# Altium PCB pokey.PcbDoc (part 2 of 4)
Units mil, origin at the board's own origin, x right, y up, seen from the top; angles counter-clockwise.
Board outline 14208.66 x 3708.66 mil, 4 copper layers (Top Layer, Mid-Layer 1, Mid-Layer 2, Bottom Layer), stack 61.2 mil thick; 385 components, 209 nets, 1413 pads, 947 vias.
Unrouted connection lines stored in the file: 121.
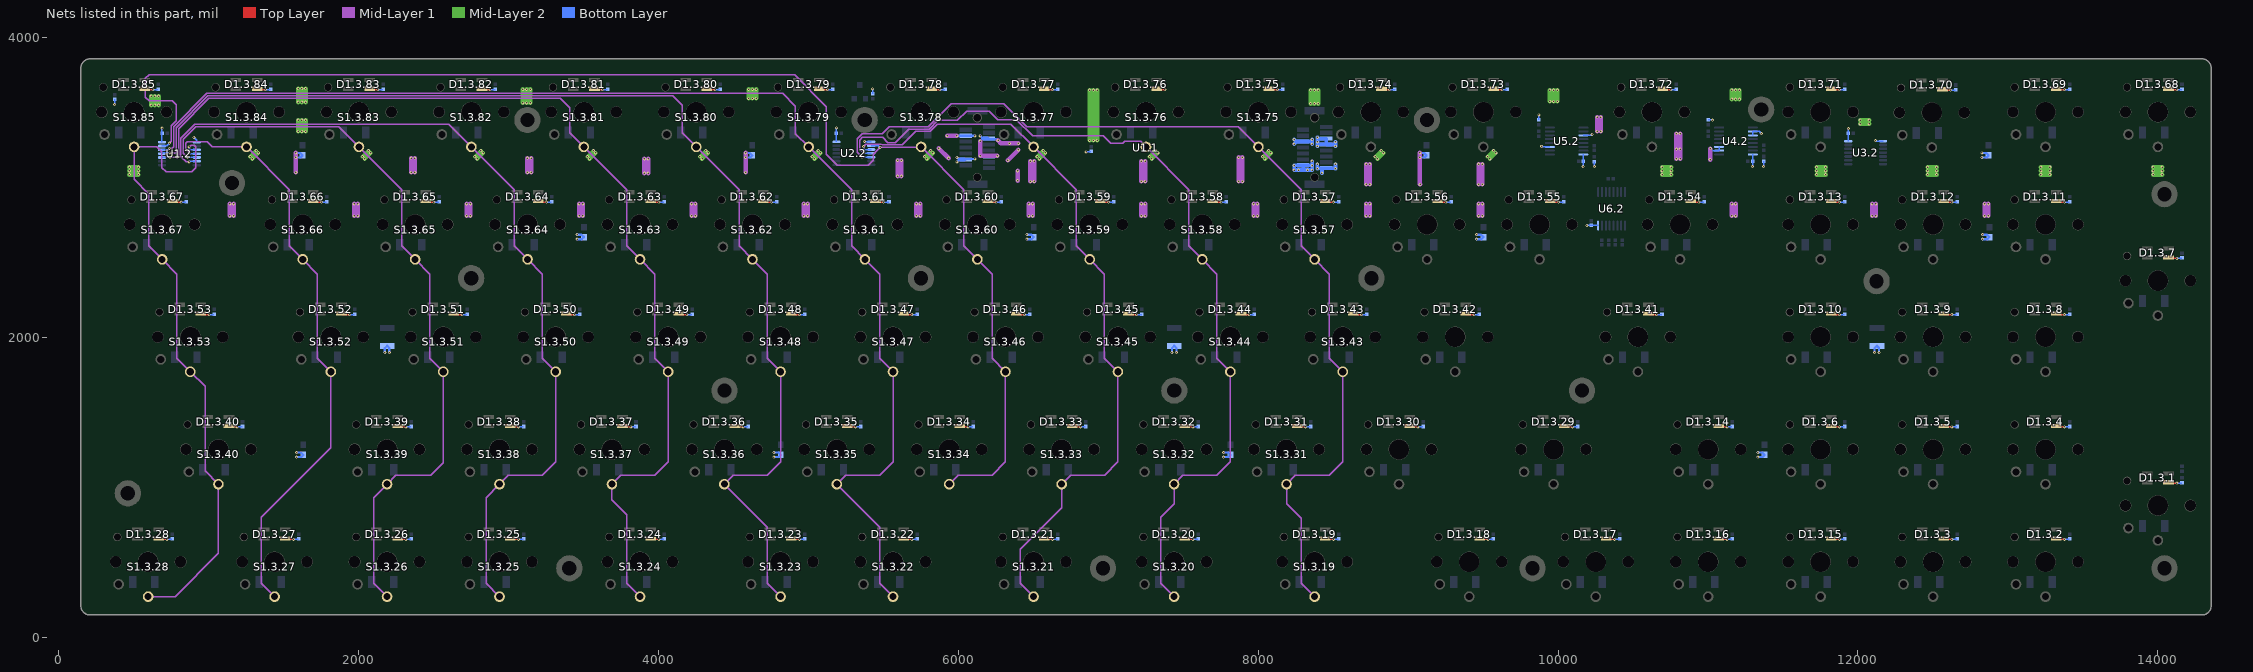
[diagram p4: the nets of this part, all layers, seen from the top]

## Components (designator, comment, footprint, x,y, rotation, side; value= is the part's Value field where it differs from the comment) (continued)
D2.3.59 "" SOD-80 6847.07,2617.5 r180 bottom (schematic designator D2.3)
D2.3.60 "" SOD-80 6097.07,2617.5 r180 bottom (schematic designator D2.3)
D2.3.61 "" SOD-80 5347.07,2617.5 r180 bottom (schematic designator D2.3)
D2.3.62 "" SOD-80 4597.07,2617.5 r180 bottom (schematic designator D2.3)
D2.3.63 "" SOD-80 3847.07,2617.5 r180 bottom (schematic designator D2.3)
D2.3.64 "" SOD-80 3097.07,2617.5 r180 bottom (schematic designator D2.3)
D2.3.65 "" SOD-80 2347.07,2617.5 r180 bottom (schematic designator D2.3)
D2.3.66 "" SOD-80 1597.07,2617.5 r180 bottom (schematic designator D2.3)
D2.3.67 "" SOD-80 659.57,2617.5 r180 bottom (schematic designator D2.3)
D2.3.68 "" SOD-80 13972.07,3367.5 r180 bottom (schematic designator D2.3)
D2.3.69 "" SOD-80 13222.07,3367.5 r180 bottom (schematic designator D2.3)
D2.3.70 "" SOD-80 12463.86,3363.68 r180 bottom (schematic designator D2.3)
D2.3.71 "" SOD-80 11722.07,3367.5 r180 bottom (schematic designator D2.3)
D2.3.72 "" SOD-80 10597.07,3367.5 r180 bottom (schematic designator D2.3)
D2.3.73 "" SOD-80 9472.07,3367.5 r180 bottom (schematic designator D2.3)
D2.3.74 "" SOD-80 8722.07,3367.5 r180 bottom (schematic designator D2.3)
D2.3.75 "" SOD-80 7972.07,3367.5 r180 bottom (schematic designator D2.3)
D2.3.76 "" SOD-80 7222.07,3367.5 r180 bottom (schematic designator D2.3)
D2.3.77 "" SOD-80 6472.07,3367.5 r180 bottom (schematic designator D2.3)
D2.3.78 "" SOD-80 5722.07,3367.5 r180 bottom (schematic designator D2.3)
D2.3.79 "" SOD-80 4972.07,3367.5 r180 bottom (schematic designator D2.3)
D2.3.80 "" SOD-80 4222.07,3367.5 r180 bottom (schematic designator D2.3)
D2.3.81 "" SOD-80 3472.07,3367.5 r180 bottom (schematic designator D2.3)
D2.3.82 "" SOD-80 2722.07,3367.5 r180 bottom (schematic designator D2.3)
D2.3.83 "" SOD-80 1972.07,3367.5 r180 bottom (schematic designator D2.3)
D2.3.84 "" SOD-80 1222.07,3367.5 r180 bottom (schematic designator D2.3)
D2.3.85 "" SOD-80 472.07,3367.5 r180 bottom (schematic designator D2.3)
Q1.2 "2N7002" SOT23 5342.5,3637.5 r180 bottom locked
R1.2 "1k" 0402 11371.7,3206.76 r270 bottom
R2.2 "1k" 0402 11001.7,3419.79 r90 bottom
R3.2 "10k" 0402 372.5,3619.47 r270 bottom
R4.2 "10k" 0402 5427.5,3592.5 r90 bottom
R5.2 "1k" 0402 10242.13,3204.79 r270 bottom
R6.2 "100k" 0402 10427.5,2617.5 r90 bottom
R7.2 "1k" 0402 9872.13,3419.79 r90 bottom
R8.2 "100k" 0402 10382.5,2617.5 r90 bottom
R9.2 "100k" 0402 10337.5,2617.5 r90 bottom
R10.2 "100k" 0402 10292.5,2617.5 r90 bottom
R11.2 "10k" 0402 14162.07,1140 r270 bottom
R12.2 "100k" 0402 10367.5,3057.5 r180 bottom
S1.3.1 "SW-SPST" PG1350 14001.41,877.99 r90 top (schematic designator S1.3)
S1.3.2 "SW-SPST" PG1350 13251.41,502.99 r90 top (schematic designator S1.3)
S1.3.3 "SW-SPST" PG1350 12501.41,502.99 r90 top (schematic designator S1.3)
S1.3.4 "SW-SPST" PG1350 13251.41,1252.99 r90 top (schematic designator S1.3)
S1.3.5 "SW-SPST" PG1350 12501.41,1252.99 r90 top (schematic designator S1.3)
S1.3.6 "SW-SPST" PG1350 11751.41,1252.99 r90 top (schematic designator S1.3)
S1.3.7 "SW-SPST" PG1350 14001.41,2377.99 r90 top (schematic designator S1.3)
S1.3.8 "SW-SPST" PG1350 13251.41,2002.99 r90 top (schematic designator S1.3)
S1.3.9 "SW-SPST" PG1350 12501.41,2002.99 r90 top (schematic designator S1.3)
S1.3.10 "SW-SPST" PG1350 11751.41,2002.99 r90 top (schematic designator S1.3)
S1.3.11 "SW-SPST" PG1350 13251.41,2752.99 r90 top (schematic designator S1.3)
S1.3.12 "SW-SPST" PG1350 12501.41,2752.99 r90 top (schematic designator S1.3)
S1.3.13 "SW-SPST" PG1350 11751.41,2752.99 r90 top (schematic designator S1.3)
S1.3.14 "SW-SPST" PG1350 11001.41,1252.99 r90 top (schematic designator S1.3)
S1.3.15 "SW-SPST" PG1350 11751.41,502.99 r90 top (schematic designator S1.3)
S1.3.16 "SW-SPST" PG1350 11001.41,502.99 r90 top (schematic designator S1.3)
S1.3.17 "SW-SPST" PG1350 10251.41,502.99 r90 top (schematic designator S1.3)
S1.3.18 "SW-SPST" PG1350 9407.66,502.99 r90 top (schematic designator S1.3)
S1.3.19 "SW-SPST" PG1350 8376.41,502.99 r90 top (schematic designator S1.3)
S1.3.20 "SW-SPST" PG1350 7438.91,502.99 r90 top (schematic designator S1.3)
S1.3.21 "SW-SPST" PG1350 6501.41,502.99 r90 top (schematic designator S1.3)
S1.3.22 "SW-SPST" PG1350 5563.91,502.99 r90 top (schematic designator S1.3)
S1.3.23 "SW-SPST" PG1350 4813.91,502.99 r90 top (schematic designator S1.3)
S1.3.24 "SW-SPST" PG1350 3876.41,502.99 r90 top (schematic designator S1.3)
S1.3.25 "SW-SPST" PG1350 2938.91,502.99 r90 top (schematic designator S1.3)
S1.3.26 "SW-SPST" PG1350 2188.91,502.99 r90 top (schematic designator S1.3)
S1.3.27 "SW-SPST" PG1350 1438.91,502.99 r90 top (schematic designator S1.3)
S1.3.28 "SW-SPST" PG1350 595.16,502.99 r90 top (schematic designator S1.3)
S1.3.29 "SW-SPST" PG1350 9970.16,1252.99 r90 top (schematic designator S1.3)
S1.3.30 "SW-SPST" PG1350 8938.91,1252.99 r90 top (schematic designator S1.3)
S1.3.31 "SW-SPST" PG1350 8188.91,1252.99 r90 top (schematic designator S1.3)
S1.3.32 "SW-SPST" PG1350 7438.91,1252.99 r90 top (schematic designator S1.3)
S1.3.33 "SW-SPST" PG1350 6688.91,1252.99 r90 top (schematic designator S1.3)
S1.3.34 "SW-SPST" PG1350 5938.91,1252.99 r90 top (schematic designator S1.3)
S1.3.35 "SW-SPST" PG1350 5188.91,1252.99 r90 top (schematic designator S1.3)
S1.3.36 "SW-SPST" PG1350 4438.91,1252.99 r90 top (schematic designator S1.3)
S1.3.37 "SW-SPST" PG1350 3688.91,1252.99 r90 top (schematic designator S1.3)
S1.3.38 "SW-SPST" PG1350 2938.91,1252.99 r90 top (schematic designator S1.3)
S1.3.39 "SW-SPST" PG1350 2188.91,1252.99 r90 top (schematic designator S1.3)
S1.3.40 "SW-SPST" PG1350 1063.91,1252.99 r90 top (schematic designator S1.3)
S1.3.41 "SW-SPST" PG1350 10532.66,2002.99 r90 top (schematic designator S1.3)
S1.3.42 "SW-SPST" PG1350 9313.91,2002.99 r90 top (schematic designator S1.3)
S1.3.43 "SW-SPST" PG1350 8563.91,2002.99 r90 top (schematic designator S1.3)
S1.3.44 "SW-SPST" PG1350 7813.91,2002.99 r90 top (schematic designator S1.3)
S1.3.45 "SW-SPST" PG1350 7063.91,2002.99 r90 top (schematic designator S1.3)
S1.3.46 "SW-SPST" PG1350 6313.91,2002.99 r90 top (schematic designator S1.3)
S1.3.47 "SW-SPST" PG1350 5563.91,2002.99 r90 top (schematic designator S1.3)
S1.3.48 "SW-SPST" PG1350 4813.91,2002.99 r90 top (schematic designator S1.3)
S1.3.49 "SW-SPST" PG1350 4063.91,2002.99 r90 top (schematic designator S1.3)
S1.3.50 "SW-SPST" PG1350 3313.91,2002.99 r90 top (schematic designator S1.3)
S1.3.51 "SW-SPST" PG1350 2563.91,2002.99 r90 top (schematic designator S1.3)
S1.3.52 "SW-SPST" PG1350 1813.91,2002.99 r90 top (schematic designator S1.3)
S1.3.53 "SW-SPST" PG1350 876.41,2002.99 r90 top (schematic designator S1.3)
S1.3.54 "SW-SPST" PG1350 10813.91,2752.99 r90 top (schematic designator S1.3)
S1.3.55 "SW-SPST" PG1350 9876.41,2752.99 r90 top (schematic designator S1.3)
S1.3.56 "SW-SPST" PG1350 9126.41,2752.99 r90 top (schematic designator S1.3)
S1.3.57 "SW-SPST" PG1350 8376.41,2752.99 r90 top (schematic designator S1.3)
S1.3.58 "SW-SPST" PG1350 7626.41,2752.99 r90 top (schematic designator S1.3)
S1.3.59 "SW-SPST" PG1350 6876.41,2752.99 r90 top (schematic designator S1.3)
S1.3.60 "SW-SPST" PG1350 6126.41,2752.99 r90 top (schematic designator S1.3)
S1.3.61 "SW-SPST" PG1350 5376.41,2752.99 r90 top (schematic designator S1.3)
S1.3.62 "SW-SPST" PG1350 4626.41,2752.99 r90 top (schematic designator S1.3)
S1.3.63 "SW-SPST" PG1350 3876.41,2752.99 r90 top (schematic designator S1.3)
S1.3.64 "SW-SPST" PG1350 3126.41,2752.99 r90 top (schematic designator S1.3)
S1.3.65 "SW-SPST" PG1350 2376.41,2752.99 r90 top (schematic designator S1.3)
S1.3.66 "SW-SPST" PG1350 1626.41,2752.99 r90 top (schematic designator S1.3)
S1.3.67 "SW-SPST" PG1350 688.91,2752.99 r90 top (schematic designator S1.3)
S1.3.68 "SW-SPST" PG1350 14001.41,3502.99 r90 top (schematic designator S1.3)
S1.3.69 "SW-SPST" PG1350 13251.41,3502.99 r90 top (schematic designator S1.3)
S1.3.70 "SW-SPST" PG1350 12493.2,3499.17 r90 top (schematic designator S1.3)
S1.3.71 "SW-SPST" PG1350 11751.41,3502.99 r90 top (schematic designator S1.3)
S1.3.72 "SW-SPST" PG1350 10626.41,3502.99 r90 top (schematic designator S1.3)
S1.3.73 "SW-SPST" PG1350 9501.41,3502.99 r90 top (schematic designator S1.3)
S1.3.74 "SW-SPST" PG1350 8751.41,3502.99 r90 top (schematic designator S1.3)
S1.3.75 "SW-SPST" PG1350 8001.41,3502.99 r90 top (schematic designator S1.3)
S1.3.76 "SW-SPST" PG1350 7251.41,3502.99 r90 top (schematic designator S1.3)
S1.3.77 "SW-SPST" PG1350 6501.41,3502.99 r90 top (schematic designator S1.3)
S1.3.78 "SW-SPST" PG1350 5751.41,3502.99 r90 top (schematic designator S1.3)
S1.3.79 "SW-SPST" PG1350 5001.41,3502.99 r90 top (schematic designator S1.3)
S1.3.80 "SW-SPST" PG1350 4251.41,3502.99 r90 top (schematic designator S1.3)
S1.3.81 "SW-SPST" PG1350 3501.41,3502.99 r90 top (schematic designator S1.3)
S1.3.82 "SW-SPST" PG1350 2751.41,3502.99 r90 top (schematic designator S1.3)
S1.3.83 "SW-SPST" PG1350 2001.41,3502.99 r90 top (schematic designator S1.3)
S1.3.84 "SW-SPST" PG1350 1251.41,3502.99 r90 top (schematic designator S1.3)
S1.3.85 "SW-SPST" PG1350 501.41,3502.99 r90 top (schematic designator S1.3)
U1.1 "POKEY_MOD_R1" POKEY_MOD_R1 8376.41,3067.76 r180 bottom
U1.2 "MC74HC164A" TSOP65P640X120-14N 803.64,3225.73 r180 bottom
U2.2 "MC74HC164A" TSOP65P640X120-14N 5302.5,3227.5 r180 bottom
U3.2 "MC74HC164A" TSOP65P640X120-14N 12052.07,3232.5 r180 bottom
U4.2 "SN74AHC123A" TSSOP16_N 11186.7,3309.79 r180 bottom
U5.2 "SN74AHC123A" TSSOP16_N 10057.13,3309.79 r180 bottom
U6.2 "MC74HC165A" TSSOP16_N 10357.5,2857.5 r90 bottom

## Footprints (in the part's own frame and the unit in brackets; to place one, negate y for a bottom-side part, rotate by r counter-clockwise, add the part's x,y. Pads: shape width x height; smd on the part's side, far side on the other; paste and mask are expansions set on the pad)
0402 [mm]
  rect 0.6x0.6 smd mask+0.05: 1(0,0) 2(0.812,0)
  silkscreen extent -0.46,-0.46 1.27,0.46, body extent -0.1,-0.27 0.91,0.27, height 0.5
1210 [mm]
  rect 2.5x1 smd: 1(0,-1.5) 2(0,1.5)
  silkscreen extent -1.12,-0.71 1.12,0.71, body extent -1.24,-1.62 1.24,1.62, height 1
1608[0603] [mm]
  rect 1.1x1 smd: 1(-0.85,0) 2(0.85,0)
  silkscreen extent -1.65,-0.74 1.65,0.74, body extent -1.02,-0.51 1.02,0.51, height 0.8
BL-HRGB32M-TRB [mm] "Addressable LED"
  rect 1.8x0.7 smd: 1(-1.8,0.75) 2(-1.8,-0.75) 3(1.8,-0.75) 4(1.8,0.75)
  silkscreen extent -2.34,-1.4 1.6,1.83, body extent -1.75,-1.4 1.75,1.4, height 1.9
PG1350 [mm]
  round 1.8 hole 1.2: 1(-5.9,0) 2(-3.8,5)
  round 1.4 hole 1.2: 3(4.2,5.22)
  round 2 hole 1.9: 4(0,5.5) 4(0,-5.5)
  round 3.5 hole 3.4: 4(0,0)
  silkscreen extent -7.5,-7.5 7.5,7.5, body extent -7.5,-7.5 7.5,7.5, height 8.05
POKEY_MOD_R1 [mm]
  rect 3.4x1.3 smd: 0(0,-1.157) 0(0,11.257) 0(57.15,-1.157) 0(57.15,11.257)
  round 1.5 hole 1.3: 0(0,0) 0(57.15,0)
  round 1.6 hole 1.3: 0(0,10.1) 0(57.15,10.1)
  rect 2.08x0.7 smd: 1(-1.96,8.55) 2(1.96,8.05) 3(-1.96,7.55) 4(1.96,7.05) 5(-1.96,6.55) 6(1.96,6.05) 7(-1.96,5.55) 8(1.96,5.05) 9(-1.96,4.55) 10(1.96,4.05) 11(-1.96,3.55) 12(1.96,3.05) 13(-1.96,2.55) 14(1.96,2.05) 15(-1.96,1.55) 16(55.19,8.55) 17(59.11,8.05) 18(55.19,7.55) 19(59.11,7.05) 20(55.19,6.55) 21(59.11,6.05) 22(55.19,5.55) 23(59.11,5.05) 24(55.19,4.55) 25(59.11,4.05) 26(55.19,3.55) 27(59.11,3.05) 28(55.19,2.55) 29(59.11,2.05) 30(55.19,1.55)
  silkscreen extent -4.83,-2.31 61.98,16.49, body extent -2.79,-1.5 59.96,11.6, height 3.29
SOD-80 [mm]
  rect 1.25x2 smd: A(1.875,0) K(-1.875,0)
  silkscreen extent -2.67,-1.02 1.02,1.02, body extent -1.85,-0.8 1.85,0.8, height 1.59
SOT23 [mm] "SOT-23; 3 Leads; Body 3.1 x 2.5 mm, inc. leads (LxW max), Alternate Lead Configuration"
  rect 0.9x0.95 smd: 1(0,1.175) 2(0.95,-1.175) 3(-0.95,-1.175)
  silkscreen extent -1.3,-0.3 1.3,2.32, body extent -1.5,-0.67 1.5,0.73, height 1.11
TSOP65P640X120-14N [mm] "TSOP, 14-Leads, Body 5.00x4.40mm, Pitch 0.65mm, IPC Medium Density"
  oval 1.4x0.45 smd: 1(-2.95,1.95) 2(-2.95,1.3) 3(-2.95,0.65) 4(-2.95,0) 5(-2.95,-0.65) 6(-2.95,-1.3) 7(-2.95,-1.95) 8(2.95,-1.95) 9(2.95,-1.3) 10(2.95,-0.65) 11(2.95,0) 12(2.95,0.65) 13(2.95,1.3) 14(2.95,1.95)
  silkscreen extent -3.08,-2.55 1.85,2.85, body extent -2.25,-2.55 2.25,2.55, height 1.2
TSSOP16_N [mm]
  oval 1.7x0.35 smd: 1(2.848,-2.281) 2(2.848,-1.631) 3(2.848,-0.981) 4(2.848,-0.331) 5(2.848,0.319) 6(2.848,0.969) 7(2.848,1.619) 8(2.848,2.269) 9(-2.852,2.269) 10(-2.852,1.619) 11(-2.852,0.969) 12(-2.852,0.319) 13(-2.852,-0.331) 14(-2.852,-0.981) 15(-2.852,-1.631) 16(-2.852,-2.281)
  silkscreen extent -1.6,-3.13 2.97,2.54, body extent -2.25,-2.56 2.25,2.54, height 1.1

## Part data
C1.1 C2.1 C3.1: library part "CAPACITOR NON_POL", Capacitance=10uF, Case/Package=1210, Case Code (Metric)=3225, Dielectric=X7R, Max Operating Temperature=125°C, Min Operating Temperature=-55°C, Package Quantity=1, Supplier Part Number 1=1276-3323-1-ND, Tolerance=10%, Voltage=35V, Case Code (Imperial)=1210, ComponentLink1Description=http://www.murata.com/~/media/webrenewal/support/library/catalog/products/capacitor/mlcc/c02e.ashx, ComponentLink1URL=http://www.murata.com/~/media/webrenewal/support/library/catalog/products/capacitor/mlcc/c02e.ashx, ComponentLink2Description=https://datasheet.ciiva.com/25724/cl32b106klulnne-25724000.pdf?src-supplier=Digi-Key, ComponentLink2URL=https://datasheet.ciiva.com/25724/cl32b106klulnne-25724000.pdf?src-supplier=Digi-Key, ComponentLink3Description=https://datasheet.ciiva.com/15196/getdatasheetpartid-353216-15196149.pdf?src-supplier=Verical, ComponentLink3URL=https://datasheet.ciiva.com/15196/getdatasheetpartid-353216-15196149.pdf?src-supplier=Verical, ComponentLink4Description=https://datasheet.ciiva.com/29202/450840-da-01-en-vs-kondensator-1210-29202828.pdf?src-supplier=Conrad, ComponentLink4URL=https://datasheet.ciiva.com/29202/450840-da-01-en-vs-kondensator-1210-29202828.pdf?src-supplier=Conrad, Depth=2.5mm, Height=1.8mm, Lead Free="Lead Free", Length=3.2mm, Material=Ceramic, Mount="Surface Mount", Packaging="Tape and Reel", Pricing 1="1 = 0.81000, 10 = 0.57000, 100 = 0.37510, 500 = 0.27788, 1000 = 0.23619 (USD)", Radiation Hardening=No, RoHS=Yes, Stock 1=421732, Supplier 1=Digi-Key, Thickness=0.079inch, Voltage Rating=35V, Width=0.098inch
C1.2 C1.3.1 C1.3.2 C1.3.3 C1.3.4 C1.3.5 C1.3.6 C1.3.7 C1.3.8 C1.3.9 C1.3.10 C1.3.11 C1.3.12 C1.3.13 C1.3.14 C1.3.15 C1.3.16 C1.3.17 C1.3.18 C1.3.19 C1.3.20 C1.3.21 C1.3.22 C1.3.23 C1.3.24 C1.3.25 C1.3.26 C1.3.27 C1.3.28 C1.3.29 C1.3.30 C1.3.31 C1.3.32 C1.3.33 C1.3.34 C1.3.35 C1.3.36 C1.3.37 C1.3.38 C1.3.39 C1.3.40 C1.3.41 C1.3.42 C1.3.43 C1.3.44 C1.3.45 C1.3.46 C1.3.47 C1.3.48 C1.3.49 C1.3.50 C1.3.51 C1.3.52 C1.3.53 C1.3.54 C1.3.55 C1.3.56 C1.3.57 C1.3.58 C1.3.59 C1.3.60 C1.3.61 C1.3.62 C1.3.63 C1.3.64 C1.3.65 C1.3.66 C1.3.67 C1.3.68 C1.3.69 C1.3.70 C1.3.71 C1.3.72 C1.3.73 C1.3.74 C1.3.75 C1.3.76 C1.3.77 C1.3.78 C1.3.79 C1.3.80 C1.3.81 C1.3.82 C1.3.83 C1.3.84 C1.3.85 C2.2 C3.2 C5.2 C6.2 C8.2 C10.2: library part "CAPACITOR NON_POL", Supplier Part Number 1=1276-1509-1-ND, Supplier 1=Digi-Key
C4.1 C5.1 C6.1 C7.1 C8.1 C9.1 C10.1 C11.1 C12.1 C13.1 C14.1 C15.1: library part C0402, Supplier Part Number 1=445-11253-1-ND, Supplier 1=Digi-Key
C4.2 C9.2: library part "CAPACITOR NON_POL", Supplier Part Number 1=399-7796-1-ND, Supplier 1=Digi-Key
C7.2: library part "CAPACITOR NON_POL", Supplier Part Number 1=732-7476-1-ND, Supplier 1=Digi-Key
D1.3.1 D1.3.2 D1.3.3 D1.3.4 D1.3.5 D1.3.6 D1.3.7 D1.3.8 D1.3.9 D1.3.10 D1.3.11 D1.3.12 D1.3.13 D1.3.14 D1.3.15 D1.3.16 D1.3.17 D1.3.18 D1.3.19 D1.3.20 D1.3.21 D1.3.22 D1.3.23 D1.3.24 D1.3.25 D1.3.26 D1.3.27 D1.3.28 D1.3.29 D1.3.30 D1.3.31 D1.3.32 D1.3.33 D1.3.34 D1.3.35 D1.3.36 D1.3.37 D1.3.38 D1.3.39 D1.3.40 D1.3.41 D1.3.42 D1.3.43 D1.3.44 D1.3.45 D1.3.46 D1.3.47 D1.3.48 D1.3.49 D1.3.50 D1.3.51 D1.3.52 D1.3.53 D1.3.54 D1.3.55 D1.3.56 D1.3.57 D1.3.58 D1.3.59 D1.3.60 D1.3.61 D1.3.62 D1.3.63 D1.3.64 D1.3.65 D1.3.66 D1.3.67 D1.3.68 D1.3.69 D1.3.70 D1.3.71 D1.3.72 D1.3.73 D1.3.74 D1.3.75 D1.3.76 D1.3.77 D1.3.78 D1.3.79 D1.3.80 D1.3.81 D1.3.82 D1.3.83 D1.3.84 D1.3.85: library part BL-HRGB32M-TRB, Supplier Part Number 1=BL-HRGB32M-TRBCT-ND, Supplier 1=Digi-Key
D2.3.1 D2.3.2 D2.3.3 D2.3.4 D2.3.5 D2.3.6 D2.3.7 D2.3.8 D2.3.9 D2.3.10 D2.3.11 D2.3.12 D2.3.13 D2.3.14 D2.3.15 D2.3.16 D2.3.17 D2.3.18 D2.3.19 D2.3.20 D2.3.21 D2.3.22 D2.3.23 D2.3.24 D2.3.25 D2.3.26 D2.3.27 D2.3.28 D2.3.29 D2.3.30 D2.3.31 D2.3.32 D2.3.33 D2.3.34 D2.3.35 D2.3.36 D2.3.37 D2.3.38 D2.3.39 D2.3.40 D2.3.41 D2.3.42 D2.3.43 D2.3.44 D2.3.45 D2.3.46 D2.3.47 D2.3.48 D2.3.49 D2.3.50 D2.3.51 D2.3.52 D2.3.53 D2.3.54 D2.3.55 D2.3.56 D2.3.57 D2.3.58 D2.3.59 D2.3.60 D2.3.61 D2.3.62 D2.3.63 D2.3.64 D2.3.65 D2.3.66 D2.3.67 D2.3.68 D2.3.69 D2.3.70 D2.3.71 D2.3.72 D2.3.73 D2.3.74 D2.3.75 D2.3.76 D2.3.77 D2.3.78 D2.3.79 D2.3.80 D2.3.81 D2.3.82 D2.3.83 D2.3.84 D2.3.85: library part DIODE, Supplier Part Number 1=FDLL4448CT-ND, Supplier 1=Digi-Key
Q1.2: "N-Channel Enhancement Mode Vertical DMOS FET", Supplier Part Number 1=2N7002-TPMSCT-ND, Supplier 1=Digi-Key
R1.2 R2.2 R5.2 R6.2 R7.2 R8.2 R9.2 R10.2 R11.2 R12.2: library part RESISTOR
R3.2 R4.2: library part RESISTOR, Manufacturer=Yageo, Manufacturer Part Number=RC0402JR-0710KL, Operating Temperature="-55°C ~ 155°C", Package / Case="0402 (1005 Metric)", Power (Watts)="0.063W, 1/16W", Supplier Device Package=0402, Supplier Part Number 1=311-10KJRCT-ND, Temperature Coefficient=±100ppm/°C, Tolerance=±5%, ComponentLink1Description=http://www.yageo.com/documents/recent/PYu-RC_Group_51_RoHS_L_04.pdf, ComponentLink1URL=http://www.yageo.com/documents/recent/PYu-RC_Group_51_RoHS_L_04.pdf, Composition="Thick Film", Features="Moisture Resistant", Height="0.016\" (0.40mm)", Number of Terminations=2, Packaging="Cut Tape (CT)", Pricing 1="1=0.1, 10=0.012, 25=0.0084, 100=0.0047, 250=0.0036, 500=0.0029, 1000=0.00213, 2500=0.00185, 5000=0.00153 (USD)", Resistance (Ohms)=10k, Size / Dimension="0.039\" L x 0.020\" W (1.00mm x 0.50mm)", Supplier 1=Digi-Key
S1.3.1 S1.3.2 S1.3.3 S1.3.4 S1.3.5 S1.3.6 S1.3.7 S1.3.8 S1.3.9 S1.3.10 S1.3.11 S1.3.12 S1.3.13 S1.3.14 S1.3.15 S1.3.16 S1.3.17 S1.3.18 S1.3.19 S1.3.20 S1.3.21 S1.3.22 S1.3.23 S1.3.24 S1.3.25 S1.3.26 S1.3.27 S1.3.28 S1.3.29 S1.3.30 S1.3.31 S1.3.32 S1.3.33 S1.3.34 S1.3.35 S1.3.36 S1.3.37 S1.3.38 S1.3.39 S1.3.40 S1.3.41 S1.3.42 S1.3.43 S1.3.44 S1.3.45 S1.3.46 S1.3.47 S1.3.48 S1.3.49 S1.3.50 S1.3.51 S1.3.52 S1.3.53 S1.3.54 S1.3.55 S1.3.56 S1.3.57 S1.3.58 S1.3.59 S1.3.60 S1.3.61 S1.3.62 S1.3.63 S1.3.64 S1.3.65 S1.3.66 S1.3.67 S1.3.68 S1.3.69 S1.3.70 S1.3.71 S1.3.72 S1.3.73 S1.3.74 S1.3.75 S1.3.76 S1.3.77 S1.3.78 S1.3.79 S1.3.80 S1.3.81 S1.3.82 S1.3.83 S1.3.84 S1.3.85: "Single-Pole, Single-Throw Switch", Manufacturer=Kailh, Manufacturer Part Number=PG1350, Supplier=NovelKeys
U1.2 U2.2 U3.2: "IC SHIFT REGISTER 8BIT", Supplier Part Number 1=MC74HC164ADTR2GOSCT-ND, Supplier 1=Digi-Key
U4.2 U5.2: "IC DUAL RETRIG MULTIVIB", Supplier Part Number 1=296-4526-1-ND, Supplier 1=Digi-Key
U6.2: "IC SHIFT REGISTER IN 8BIT"

## Free pads (board coordinates)
  round 175 / inner round 110 / far side round 175 hole 95: 0(460,960) 0(1155,3030) 0(2750,2395) 0(3125,3450) 0(3405,460) 0(4440,1645) 0(5375,3450) 0(5750,2395) 0(6965,460) 0(7440,1645) 0(8755,2395) 0(9125,3450) 0(9830,460) 0(10160,1645) 0(11355,3520) 0(12125,2375) 0(14045,460) 0(14045,2955)

## Via types
v1: diameter 20, hole 10, Top Layer to Bottom Layer, tented both sides, 946 vias
v2: diameter 20, hole 10, Top Layer to Bottom Layer, 1 vias

## Nets (pads, with @x,y where several pads share a name; then routed paths per layer and width w, separated by ;. In a path a pad name is that pad's centre, name@x,y a point inside that pad or via, vN(x,y) a via of type N, cw(c..) or ccw(c..) an arc to the next point about the centre after c; other vN are vias at no path point)
3V3: C1.2.1 C2.2.1 C3.2.1 C5.2.1 C8.2.1 C10.2.1 C12.1.2 C13.1.2 C14.1.2 C15.1.2 R1.2.2 R2.2.2 R4.2.2 R5.2.2 R7.2.2 U1.1.19 U1.1.20 U1.1.26 U1.1.27 U1.2.1 U1.2.14 U2.2.1 U2.2.14 U3.2.1 U3.2.14 U4.2.2 U4.2.3 U4.2.10 U4.2.11 U4.2.16 U5.2.3 U5.2.11 U5.2.16 U6.2.16 | length 8505.7
  Mid-Layer 1 w30: v1(1140,2810) v1(1140,2890) ; v1(1165,2810) v1(1165,2890) ; v1(1580,3100) v1(1580,3200) v1(1580,3230) ; v1(1970,2810) v1(1970,2890) ; v1(1995,2810) v1(1995,2890) ; v1(2350,3100) v1(2350,3195) ; v1(2375,3100) v1(2375,3195) ; v1(2720,2810) v1(2720,2890) ; v1(2745,2810) v1(2745,2890) ; v1(3125,3100) v1(3125,3195) ; v1(3150,3100) v1(3150,3195) ; v1(3470,2810) v1(3470,2890) ; v1(3495,2810) v1(3495,2890) ; v1(3905,3095) v1(3905,3190) ; v1(3930,3095) v1(3930,3190) ; v1(4220,2810) v1(4220,2890) ; v1(4245,2810) v1(4245,2890) ; v1(4580,3100) v1(4580,3200) v1(4580,3230) ; v1(4970,2810) v1(4970,2890) ; v1(4995,2810) v1(4995,2890) ; v1(5595,3075) v1(5595,3180) ; v1(5620,3075) v1(5620,3180) ; v1(5720,2810) v1(5720,2890) ; v1(5745,2810) v1(5745,2890) ; v1(5870,3260) v1(5935,3195) ; v1(5925,3345) v1(5990,3345) ; v1(6145,3310) v1(6145,3210) v1(6260,3210) ; v1@6264.07,3314.07 6283.14,3295 v1(6340,3295) v1(6400,3295) ; v1(6330,3180) v1(6400,3250) ; v1(6395,3045) v1(6395,3110) ; v1(6470,2810) v1(6470,2890) ; v1(6480,3040) v1(6480,3175) ; v1(6495,2810) v1(6495,2890) ; v1(6505,3040) v1(6505,3175) ; v1(7220,2810) v1(7220,2890) ; v1(7220,3040) v1(7220,3175) ; v1(7245,2810) v1(7245,2890) ; v1(7245,3040) v1(7245,3175) ; v1(7870,3040) v1(7870,3200) ; v1(7895,3040) v1(7895,3200) ; v1(7970,2810) v1(7970,2890) ; v1(7995,2810) v1(7995,2890) ; v1(8720,2810) v1(8720,2890) ; v1(8720,3020) v1(8720,3155) ; v1(8745,2810) v1(8745,2890) ; v1(8745,3020) v1(8745,3155) ; v1(9077.5,3230) v1(9077.5,3200) 9077.5,3022.5 v1(9080,3020) ; v1(9470,2810) v1(9470,2890) ; v1(9470,3020) v1(9470,3155) ; v1(9495,2810) v1(9495,2890) ; v1(9495,3020) v1(9495,3155) ; v1(10260,3375) v1(10260,3470) ; v1(10285,3375) v1(10285,3470) ; v1(10790,3190) v1(10790,3255) v1(10790,3360) ; v1(10815,3190) v1(10815,3255) v1(10815,3360) ; v1(11015,3185) 11015,3258.09 v1(11016.7,3259.79) ; v1(11160,2810) v1(11160,2890) ; v1(11185,2810) v1(11185,2890) ; v1(12095,2810) v1(12095,2890) ; v1(12120,2810) v1(12120,2890) ; v1(12845,2810) v1(12845,2890) ; v1(12870,2810) v1(12870,2890)